# Altium PCB cheriot-test.PcbDoc (part 3 of 10) (continued)
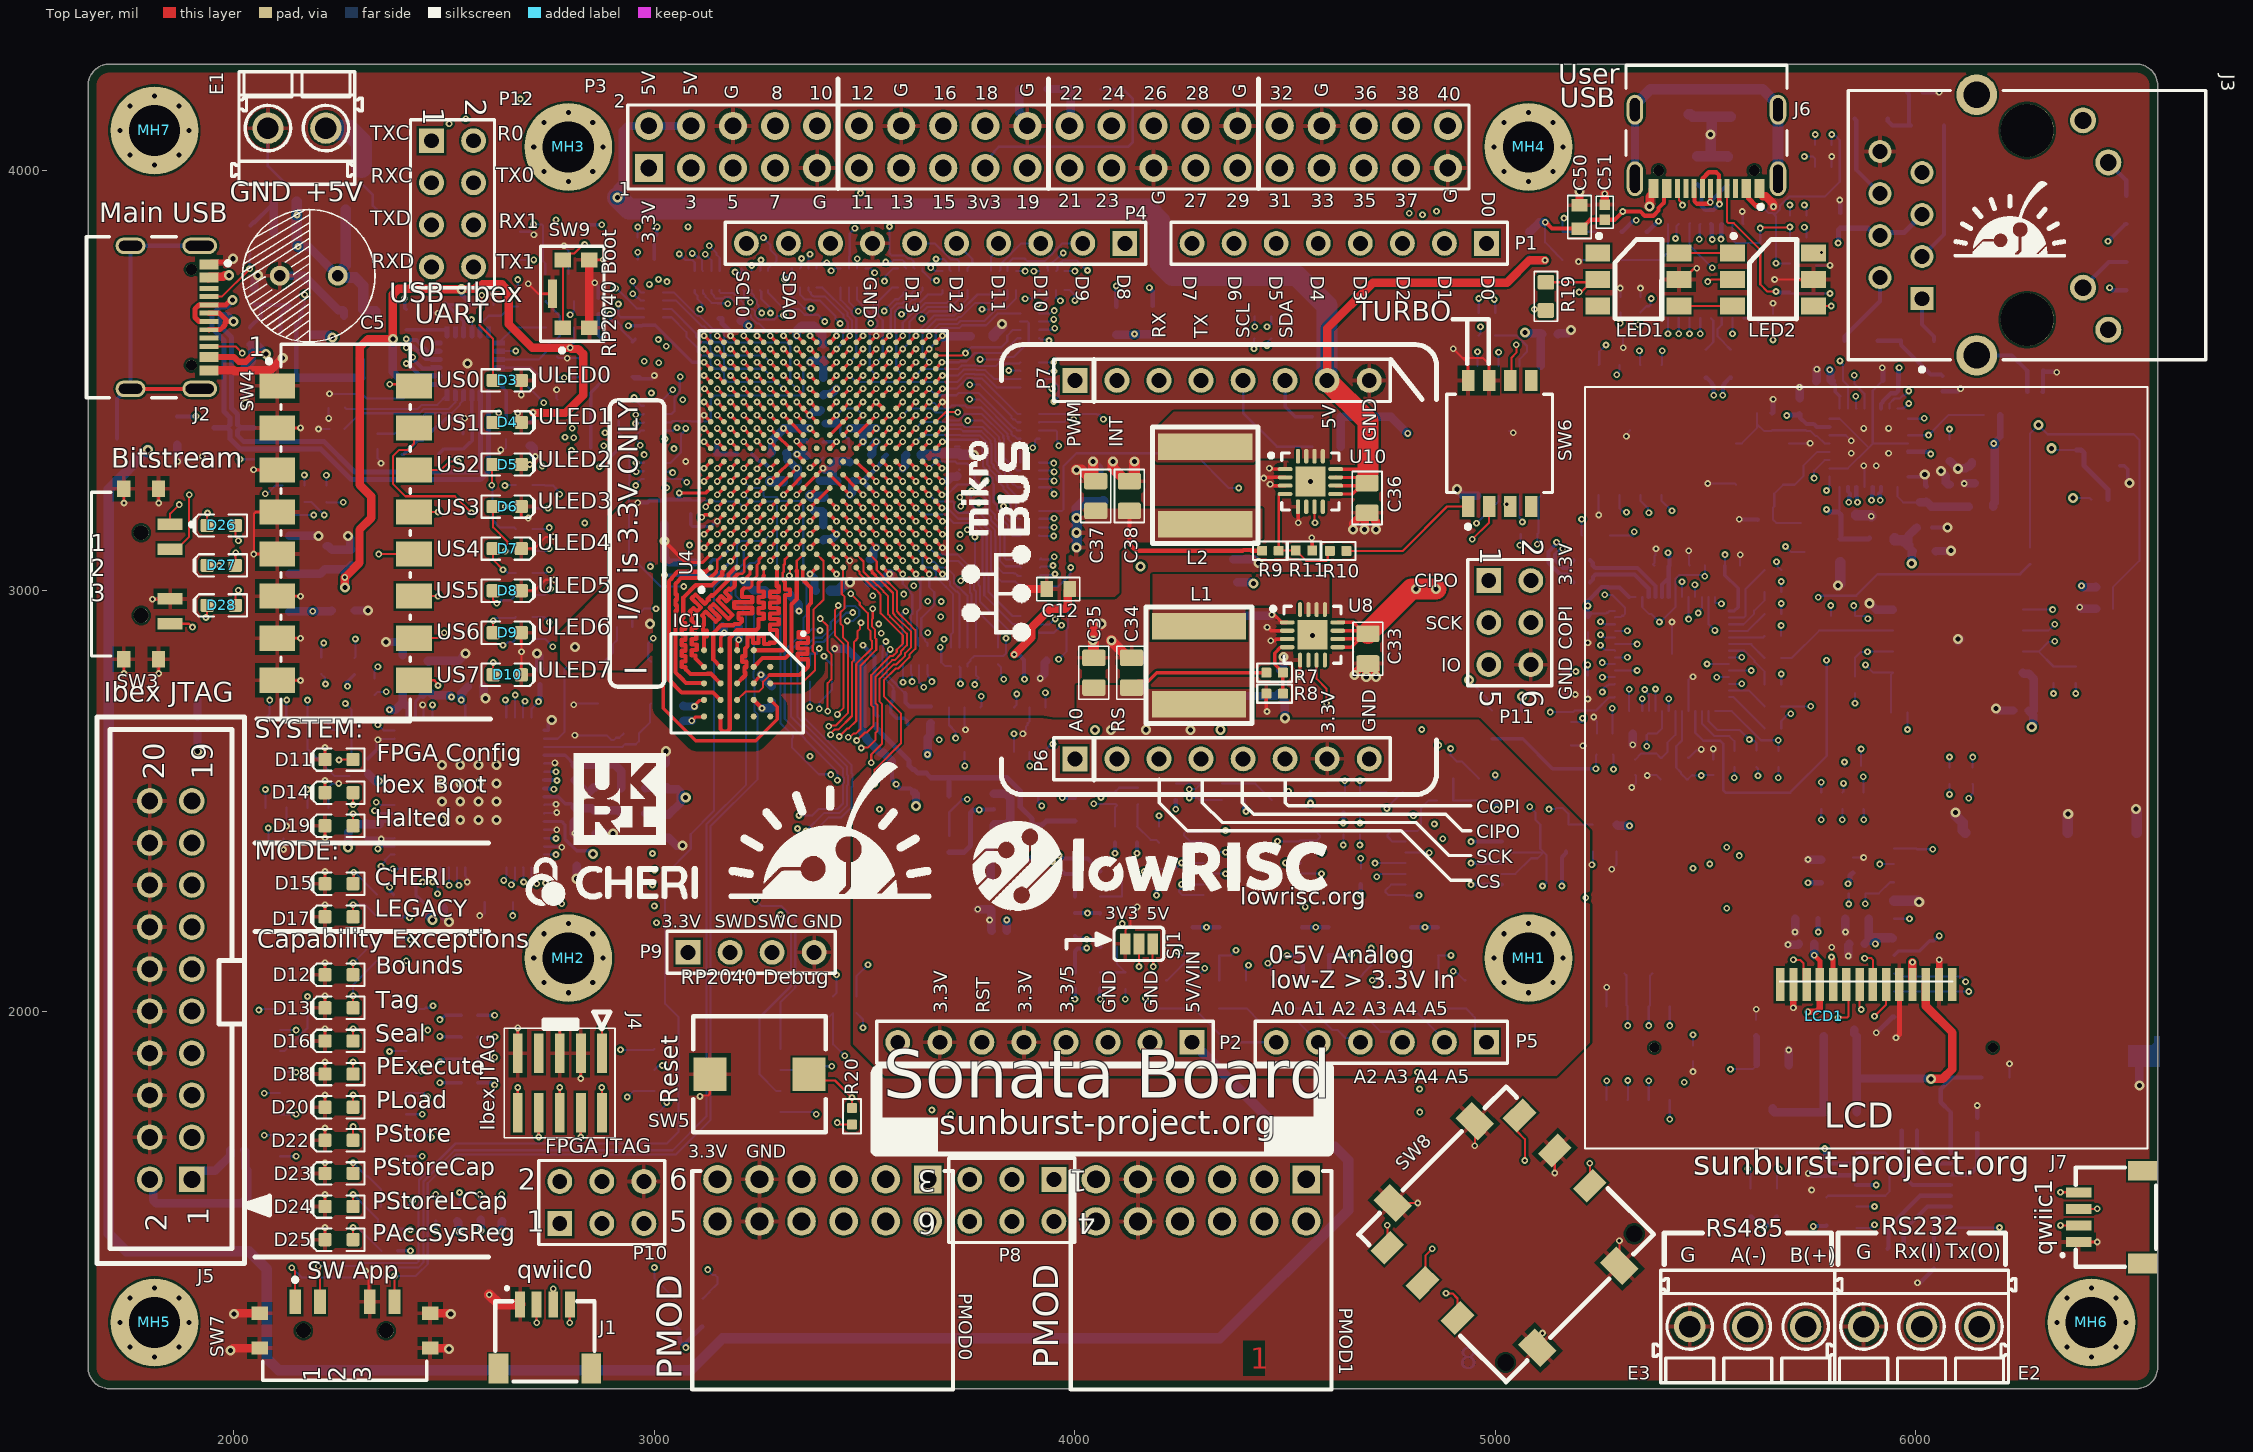
[diagram p0: Top Layer view]
## Nets (pads, with @x,y where several pads share a name; then routed paths per layer and width w, separated by ;. In a path a pad name is that pad's centre, name@x,y a point inside that pad or via, vN(x,y) a via of type N, cw(c..) or ccw(c..) an arc to the next point about the centre after c; other vN are vias at no path point) (continued)
AH_AN3: P5.3 R97.1 R98.1 | length 205.7
  Bottom Layer w5: R98.1@4606.45,2006.54 R97.1@4669.51,2006.54 4671.48,2006.54 4726.94,1951.08 4751.47,1951.08 4776.56,1925.98 P5.3@4778.74,1925.98
AH_AN4: P5.2 R104.1 R105.1 | length 181.2
  Bottom Layer w5: R104.1@4735.96,2010.57 R104.1@4740,2006.54 R105.1@4803.07,2006.54 4803.99,2006.54 4878.74,1931.79 P5.2@4878.74,1925.98
AH_AN5: P5.1 R111.1 R112.1 | length 164.7
  Bottom Layer w5: R112.1@4866.13,2006.54 R111.1@4929.2,2006.54 4930.12,2006.54 4945.19,1991.47 4945.19,1990.54 4951.71,1984.02 4951.71,1953.01 P5.1@4978.74,1925.98
AH_TMPIO0: P1.1 R188.1B | length 1395.6
  Int4 (Sign) w5: v1(3950.5,3230) 3952.6,3232.1 3965.6,3232.1 3968.5,3235 4237.06,3235 4265.6,3263.54 4267.06,3265 4371.06,3369 4649.65,3369 4798.74,3518.09 4798.74,3645.98 P1.1@4978.74,3825.98
  Bottom Layer w5: R188.1B@3915.28,3245.93 3940.98,3245.93 3944.51,3242.4 3944.51,3238.96 3950.5,3232.98 v1(3950.5,3230)
AH_TMPIO1: P1.2 R188.2B | length 1324.6
  Int4 (Sign) w5: v1(3950.5,3261) 4142.89,3261 4260.89,3379 4645.51,3379 4788.74,3522.23 4788.74,3735.98 P1.2@4878.74,3825.98
  Bottom Layer w5: R188.2B@3915.28,3265.62 3942.9,3265.62 3947.52,3261 v1(3950.5,3261)
AH_TMPIO2: P1.3 R188.3B | length 1265.3
  Int4 (Sign) w5: v1(3950.5,3282.42) 3950.93,3282.42 4057.51,3389 4641.36,3389 4778.74,3526.38 P1.3@4778.74,3825.98
  Bottom Layer w5: R188.3B@3915.28,3285.3 3944.64,3285.3 3947.52,3282.42 v1(3950.5,3282.42)
AH_TMPIO3: P1.4 R188.4B | length 1117.3
  Int4 (Sign) w5: v1(3950.01,3303.42) 4005.33,3358.74 4005.33,3376.25 3996.27,3385.32 3990.46,3385.32 3981.38,3394.4 3981.38,3407.24 3981.38,3414.25 3990.46,3423.33 3997.47,3423.33 4007.11,3432.97 4056.92,3432.97 4057.28,3433.33 4078.41,3433.33 4078.77,3432.97 4399.48,3432.97 4462.97,3496.47 4462.97,3515.34 4678.74,3731.11 P1.4@4678.74,3825.98
  Bottom Layer w5: R188.4B@3915.28,3304.99 3916.06,3304.2 3949.22,3304.2 v1(3950.01,3303.42)
AH_TMPIO4: P1.5 R189.1B | length 645.9
  Int6 (Sign) w5: v1(4000,3760) 4014,3746 4083.95,3746 4087.86,3749.91 4108.99,3749.91 4112.9,3746 4498.76,3746 P1.5@4578.74,3825.98
  Bottom Layer w5: R189.1B@3974.99,3760 v1(4000,3760)
AH_TMPIO5: P1.6 R189.2B | length 578.5
  Int6 (Sign) w5: v1(4030,3761.5) 4031.5,3760 4412.76,3760 P1.6@4478.74,3825.98
  Bottom Layer w5: R189.2B@3955.3,3760 3958.71,3763.41 3958.71,3775.2 3965.25,3781.73 3968.12,3781.73 3971.57,3785.18 4004.82,3785.18 4028.5,3761.5 v1(4030,3761.5)
AH_TMPIO6: P1.7 R189.3B | length 526.8
  Int6 (Sign) w5: v1(3972.1,3802.93) 3970,3805.04 3970,3829.61 4003.4,3863.01 4341.71,3863.01 P1.7@4378.74,3825.98
  Bottom Layer w5: R189.3B@3935.62,3760 3935.15,3770.3 3937.27,3776.73 3939.02,3778.48 3947.38,3780.92 v1(3972.1,3802.93)
AH_TMPIO7: P1.8 R189.4B | length 417
  Int6 (Sign) w5: v1(3902.53,3759.89) 3977.97,3759.89 3995.08,3777 4229.76,3777 P1.8@4278.74,3825.98
  Bottom Layer w5: v1(3902.53,3759.89) 3915.83,3759.89 R189.4B@3915.93,3760
AH_TMPIO8: P4.1 R190.1B | length 287.3
  Int6 (Sign) w5: v1(3881.53,3760) 3881.53,3761.53 3899.3,3779.3 3976.42,3779.3 3984.12,3787 4032.12,3787 4071.11,3825.98 P4.1@4118.74,3825.98
  Bottom Layer w5: R190.1B@3859.68,3760 v1(3881.53,3760)
AH_TMPIO9: P4.2 R190.2B | length 221.8
  Bottom Layer w5: R190.2B@3839.99,3760 3839.99,3777.69 3852.3,3790 3880,3790 3886.36,3783.64 3928.05,3783.64 3940,3795.58 3941.75,3796.97 ccw(c3918.74,3825.98) 3947.75,3802.97 3949.14,3804.73 3970.4,3825.98 P4.2@4018.74,3825.98
AH_TMPIO10: P4.3 R190.3B | length 133.8
  Bottom Layer w5: R190.3B@3820.31,3760 3823.08,3762.77 3823.08,3776.53 3872.53,3825.98 P4.3@3918.74,3825.98
AH_TMPIO11: P4.4 R190.4B | length 73.5
  Bottom Layer w5: R190.4B@3800.62,3760 3800.62,3793.86 3818.74,3811.97 P4.4@3818.74,3825.98
AH_TMPIO12: P4.5 R191.1B | length 86.2
  Bottom Layer w5: P4.5@3718.74,3825.98 3755.91,3788.82 3755.91,3778.43 3744.37,3766.89 R191.1B@3744.37,3760
AH_TMPIO13: P4.6 R191.2B | length 146.9
  Bottom Layer w5: P4.6@3618.74,3825.98 3666.14,3825.98 3700.79,3791.34 3701.02,3791.34 3704.96,3787.4 3720.47,3787.4 3724.68,3783.19 R191.2B@3724.68,3760
AH_TMPIO14: P11.1 R191.3B | length 1940.8
  Int6 (Sign) w5: v1(3669.78,3788.6) 3671.88,3786.49 3671.88,3775.21 3672.4,3774.7 3672.4,3761.86 3655.42,3744.88 3655.42,3730.94 3666.36,3720 3751.51,3720 3756.05,3724.54 3802.03,3724.54 3806.57,3720 4080.91,3720 4092,3708.91 4105.23,3708.91 4254.14,3560 4706.51,3560 4838.94,3427.57 4838.94,3130.64 4875.21,3094.38 4950.92,3094.38 4984.25,3061.04 P11.1@4984.25,3024.02
  Bottom Layer w5: v1(3669.78,3788.6) 3688.15,3788.6 3701.59,3775.15 3701.59,3763.41 R191.3B@3705,3760
AH_TMPIO15: P11.3 R191.4B | length 1954.8
  Int6 (Sign) w5: v1(3656.9,3768.28) 3645.42,3756.8 3645.42,3726.8 3662.22,3710 3755.65,3710 3760.19,3714.54 3797.89,3714.54 3802.43,3710 4076.77,3710 4087.86,3698.91 4101.09,3698.91 4250,3550 4702.36,3550 4816.18,3436.18 4816.18,3139.26 4930,3025.44 4930,2978.27 P11.3@4984.25,2924.02
  Bottom Layer w5: v1(3656.9,3768.28) 3659.87,3768.28 3668.15,3760 R191.4B@3685.31,3760
AH_TMPIO16: P11.5 R168.2 | length 1497.4
  Int6 (Sign) w5: v1(4456.89,3627.5) 4765.18,3627.5 4858.94,3533.74 4858.94,3153.43 4867.87,3144.5 5006.17,3144.5 5014.67,3136 5081.07,3136 5084,3133.07 5084,3085 5121,3048 5121.28,3048 5121.28,2908.68 5084.12,2871.52 5031.75,2871.52 P11.5@4984.25,2824.02
  Bottom Layer w5: v1(4456.89,3627.5) 4459.7,3627.5 4466.89,3634.69 R168.2@4466.89,3652.32
AH_TMPIO17: P11.4 R169.2 | length 1136.5
  Int6 (Sign) w5: v1(4456.89,3582.55) 4698.1,3582.55 4848.94,3431.71 4848.94,3134.79 4879.35,3104.38 4973.55,3104.38 5021.28,3056.65 5021.28,2986.99 P11.4@5084.25,2924.02
  Bottom Layer w5: v1(4456.89,3582.55) 4458.42,3584.07 4458.42,3591.53 R169.2@4466.89,3600
ANALOG0_DIGITAL: R77.2 U4.G13 U22.4 | length 2607.5
  Top Layer w8: v1(3307.09,3448.82) U4.G13@3322.83,3433.07
  Int4 (Sign) w5: v1(3307.09,3448.82) 3307.09,3445.84 3313.08,3439.85 3313.08,3438.26 3323.08,3428.26 3323.08,3347.91 3323.48,3347.51 3323.48,3298.16 3323.08,3297.76 3323.08,3284.92 3354.08,3253.92 3354.08,3033.45 3359.24,3028.29 3359.24,2841.54 3370.08,2830.71 3394.87,2830.71 3396.86,2828.72 3409.7,2828.72 3411.68,2830.71 3519.68,2830.71 3528.26,2839.28 3813.56,2839.28 3861.5,2791.34 v1(3861.5,2754.11)
  Int6 (Sign) w5: v1(3861.5,2754.11) 3874.08,2741.53 4335.6,2741.53 4447.03,2630.11 4447.03,2624.69 4452.97,2618.74 4452.97,2512.89 4497.3,2468.55 4497.3,2424.38 4507.3,2414.38 4507.3,2380.97 4425,2298.67 4425,2160 4417,2152 4417,2142.94 4393.56,2119.5 4384.5,2119.5 4367,2102 v1(4308.85,2102)
  Bottom Layer w5: U22.4@3855.11,2722.22 3861.5,2728.61 v1(3861.5,2754.11) ; R77.2@4280.31,2073.46 4281.3,2073.46 4308.85,2101.02 v1(4308.85,2102)
ANALOG0_N: C98.2 R81.2 U4.C5 | length 2550.7
  Top Layer w8: v1(3181.1,3165.35) U4.C5@3196.85,3181.1
  Int1 (Sign) w5: v1(3181.1,3165.35) 3196.6,3180.85 3196.6,3266.26 3187.52,3275.34 3072.32,3275.34 3054.76,3257.78 3048.49,3257.78 3045.75,3260.53 3022.98,3260.53 3022.05,3259.59 3009.33,3259.59 2984.23,3234.5 2943.11,3234.5 2834.36,3125.74 2834.36,2595.1 2975.07,2454.39 3007.76,2454.39 3009.08,2455.7 3028.68,2455.7 3045.69,2438.7 3057.36,2438.7 3178.56,2317.5 3859.69,2317.5 4027.08,2150.11 v1(4028,2150.11)
  Bottom Layer w10: R81.2@4000,2092.48 C98.2@4000,2142.5 4006.46,2148.96 4026.85,2148.96 v1(4028,2150.11)
ANALOG0_P: C98.1 R79.2 U4.C6 | length 2406.2
  Top Layer w8: v1(3181.1,3196.85) U4.C6@3196.85,3212.6
  Int1 (Sign) w5: v1(3181.1,3196.85) 3165.6,3212.35 3165.6,3234.27 3156.03,3243.85 3098.48,3243.85 3095.04,3240.41 3072.85,3240.41 3065.48,3247.78 3052.63,3247.78 3043.56,3238.7 3043.56,3234.23 3037.92,3228.59 3025.68,3228.59 3021.59,3224.5 2947.26,3224.5 2844.36,3121.6 2844.36,2599.24 2979.21,2464.39 3003.62,2464.39 3004.94,2465.7 3032.83,2465.7 3049.83,2448.7 3061.51,2448.7 3182.7,2327.5 3871.61,2327.5 v1(4028,2171.11)
  Bottom Layer w10: C98.1@4000,2178.72 4006.46,2172.26 4026.85,2172.26 v1(4028,2171.11) 4042,2171.11 R79.2@4060.32,2152.8
ANALOG1_DIGITAL: R83.2 U4.D14 U22.6 | length 2679.4
  Top Layer w8: v1(3212.6,3480.32) U4.D14@3228.35,3464.57
  Int4 (Sign) w5: v1(3212.6,3480.32) 3228.1,3464.82 3269.17,3464.82 3269.67,3464.32 3282.01,3464.32 3291.59,3454.74 3291.59,3343.41 3313.48,3321.52 3313.48,3302.3 3313.08,3301.9 3313.08,3280.78 3323.08,3270.78 3323.08,3095.94 3328.24,3090.78 3328.24,3050.19 3336.58,3041.85 3336.58,3029.01 3328.24,3020.68 3328.24,2851.76 3361.1,2818.9 3392.54,2818.9 3392.71,2818.72 3413.84,2818.72 3414.02,2818.9 3523.62,2818.9 3534,2829.28 3779.15,2829.28 3815.21,2793.22 3815.21,2783.08 3824.41,2773.88 3824.41,2769.27 3855.08,2738.61 3913.52,2738.61 3929.91,2755 v1(3929.91,2757.03)
  Int6 (Sign) w5: v1(3929.91,2757.03) 3931.94,2755 4336.28,2755 4457.03,2634.25 4457.03,2628.83 4462.97,2622.89 4462.97,2517.03 4545,2435 4545,2354.36 4492.09,2301.45 4492.09,2188.09 v1(4413,2109)
  Bottom Layer w5: U22.6@3929.91,2722.22 v1(3929.91,2757.03) ; R83.2@4406.45,2073.46 4406.45,2102.45 v1(4413,2109)
ANALOG1_N: C103.2 R90.2 U4.B6 | length 2137.1
  Top Layer w8: v1(3149.61,3196.85) U4.B6@3165.35,3212.6
  Int1 (Sign) w5: v1(3149.61,3196.85) 3131.71,3214.75 3079.43,3214.75 3073.27,3208.59 3071.43,3208.59 3069.62,3206.78 3048.49,3206.78 3046.68,3208.59 3033.96,3208.59 3002.98,3177.61 2998.98,3177.61 2864.36,3042.99 2864.36,2607.52 2987.49,2484.39 2995.34,2484.39 2996.65,2485.7 3041.11,2485.7 3058.12,2468.7 3069.79,2468.7 3190.99,2347.5 3901.42,2347.5 3910.07,2356.15 v1(3946.5,2356.15)
  Bottom Layer w10: v1(3946.5,2356.15) 3947.15,2356.15 3976.75,2326.55 C103.2@4000,2326.55 R90.2@4000,2272.8
ANALOG1_P: C103.1 R86.2 U4.B7 | length 2197.2
  Top Layer w8: v1(3149.61,3228.35) U4.B7@3165.35,3244.09
  Int1 (Sign) w5: v1(3149.61,3228.35) 3077.04,3228.35 3065.48,3216.78 3052.63,3216.78 3050.82,3218.59 3029.82,3218.59 2998.84,3187.61 2994.83,3187.61 2854.36,3047.13 2854.36,2603.38 2983.35,2474.39 2999.48,2474.39 3000.8,2475.7 3036.97,2475.7 3053.98,2458.7 3065.65,2458.7 3186.85,2337.5 3949.77,2337.5 3962,2349.73 v1(3962,2371)
  Bottom Layer w10: v1(3962,2371) 3963.62,2371 3971.85,2362.77 C103.1@4000,2362.77 4030.34,2362.77 R86.2@4060.32,2332.8
ANALOG2_DIGITAL: R89.2 U4.C14 U22.3 | length 2396.8
  Top Layer w8: v1(3181.1,3480.32) U4.C14@3196.85,3464.57
  Int3 (Sign) w5: v1(3855.11,2659.5) 3855.11,2643.25 3975.29,2523.06 3976.24,2523.06 3985.32,2513.98 3985.32,2513.04 4110.87,2387.49 4110.87,2364.21 4183.6,2291.48 4200.61,2291.48 4206.14,2285.95 4248.49,2285.95 4349.08,2185.36 4349.08,2157 4378.74,2127.34 4416.58,2127.34 4429.92,2114 v1(4459,2114)
  Int4 (Sign) w5: v1(3181.1,3480.32) 3165.6,3464.82 3165.6,3440 3172.78,3432.82 3187.52,3432.82 3196.6,3423.74 3196.6,3411.4 3206.18,3401.82 3255.25,3401.82 3260,3397.07 3260,3355 3260.09,3354.91 3260.09,3349.12 3279.21,3330 3285,3330 3291.09,3323.91 3291.09,3096.44 3295,3092.53 3295,3085 3305.43,3074.57 3305.43,2860.43 3358.39,2807.47 3527.35,2807.47 3539.16,2819.28 3769.96,2819.28 3797.61,2791.63 3797.61,2786.54 3814.41,2769.73 3814.41,2708.19 3846.38,2676.23 3846.38,2671.2 3855.11,2662.48 v1(3855.11,2659.5)
  Bottom Layer w5: U22.3@3855.11,2615.92 3855.11,2641.64 v1(3855.11,2659.5) ; v1(4459,2114) 4459,2111.02 4467.56,2102.46 4467.56,2086.22 R89.2@4480.31,2073.46
ANALOG2_N: C104.2 R96.2 U4.A5 | length 2111.8
  Top Layer w8: 3120.07,3180.55 3133.31,3180.55 U4.A5@3133.86,3181.1
  Int1 (Sign) w5: v1(3112.21,3174.86) 3028.51,3174.86 3011.26,3157.61 3007.26,3157.61 2884.36,3034.71 2884.36,2615.81 2978.71,2521.45 3045.32,2521.45 3054.98,2511.79 3054.98,2500.12 3066.4,2488.7 3078.08,2488.7 3153.84,2412.93 3367.07,2412.93 3378.29,2424.15 3380.78,2424.15 3383.72,2427.1 3979.24,2427.1 v1(4045.14,2493)
  Bottom Layer w5: v1(4045.14,2493) 4045.63,2492.5 4097.21,2492.5 C104.2@4100,2489.71 4095.37,2485.07 R96.2@4095.37,2439.68
ANALOG2_P: C104.1 R93.2 U4.A6 | length 2198.8
  Top Layer w8: v1(3122.46,3199.25) 3122.46,3200.22 3133.86,3211.62 U4.A6@3133.86,3212.6
  Int1 (Sign) w5: v1(3122.46,3199.25) 3078.07,3199.25 3077.42,3198.59 3075.57,3198.59 3073.76,3196.78 3044.35,3196.78 3042.54,3198.59 3038.11,3198.59 3007.12,3167.61 3003.12,3167.61 2874.36,3038.85 2874.36,2611.67 2974.57,2511.45 3041.18,2511.45 3044.98,2507.65 3044.98,2495.98 3062.26,2478.7 3073.93,2478.7 3149.7,2402.93 3371.22,2402.93 3382.44,2414.15 3384.92,2414.15 3387.86,2417.1 3991.16,2417.1 4062.21,2488.15 v1(4062.21,2508)
  Bottom Layer w5: v1(4062.21,2508) 4064.32,2510.1 4064.32,2516.33 4067.99,2520 4094.07,2520 4105.44,2531.37 R93.2@4150.13,2531.37
ANALOG3_DIGITAL: R97.2 U4.C9 U22.1 | length 2578
  Top Layer w8: v1(3181.1,3291.34) U4.C9@3196.85,3307.09
  Int3 (Sign) w5: v1(3947.74,2635.5) 3947.84,2635.4 3965.74,2635.4 3967.37,2637.03 4032.63,2637.03 4062.97,2606.69 4062.97,2584.66 4077.71,2569.92 4077.71,2506.45 4235.96,2348.21 4235.96,2345.38 4248.8,2332.54 4251.63,2332.54 4434.17,2150 v1(4705,2150)
  Int4 (Sign) w5: v1(3181.1,3291.34) 3165.6,3306.84 3143.19,3306.84 3133.61,3297.26 3133.61,3284.92 3124.03,3275.34 3111.69,3275.34 3096.02,3259.67 3096.02,3255.2 3079.85,3239.03 3079.85,3211.85 3048,3180 3048,3061.29 3347.04,2762.25 3532.75,2762.25 3555.74,2739.26 3555.74,2739.16 3579.47,2715.43 3593.71,2715.43 3655.84,2653.3 3655.84,2645.07 3670.75,2630.17 3883.15,2630.17 3888.48,2635.5 v1(3947.74,2635.5)
  Bottom Layer w5: U22.1@3929.91,2615.92 3929.91,2620.8 3939.22,2630.11 3939.22,2633.1 3942.37,2633.1 3944.76,2635.5 v1(3947.74,2635.5) ; R97.2@4669.51,2073.46 4670.44,2073.46 4685.5,2088.53 4685.5,2089.46 4705,2108.95 v1(4705,2150)
ANALOG3_N: C105.2 R103.2 U4.E5 | length 1842.3
  Top Layer w8: v1(3244.09,3165.35) U4.E5@3259.84,3181.1
  Int1 (Sign) w5: v1(3244.09,3165.35) 3260.09,3149.36 3376.5,3149.36 3406,3119.86 3406,3017.5 3460.03,2963.47 3478.01,2963.47 3505.1,2936.38 3539.64,2936.38 3550.84,2925.18 3559.91,2925.18 3568.99,2916.1 3568.99,2914.11 3688.81,2794.29 3785.25,2794.29 3850.94,2728.61 4495.47,2728.61 4554.54,2669.54 4582.82,2669.54 4641.89,2610.47 v1(4641.89,2548.05)
  Bottom Layer w5: R103.2@4599.69,2520 4639.44,2520 C105.2@4641.89,2522.45 4641.89,2541.08 v1(4641.89,2548.05)
ANALOG3_P: C105.1 R100.2 U4.E6 | length 1925.3
  Top Layer w8: v1(3244.09,3196.85) U4.E6@3259.84,3212.6
  Int1 (Sign) w5: v1(3244.09,3196.85) 3260.09,3180.85 3376.5,3180.85 3416,3141.35 3416,3066.02 3426.65,3055.37 3439,3055.37 3448.57,3045.79 3448.57,3031.27 3445.07,3027.76 3445.07,3016.7 3437.54,3009.17 3437.54,3000.1 3464.17,2973.47 3487.68,2973.47 3488.51,2972.64 3525.69,2972.64 3534.77,2963.56 3534.77,2962.47 3562.06,2935.18 3564.05,2935.18 3578.99,2920.24 3578.99,2918.25 3692.95,2804.29 3789.4,2804.29 3855.08,2738.61 4499.62,2738.61 4558.68,2679.54 4586.97,2679.54 4651.89,2614.62 4651.89,2574.27 v1(4678.11,2548.05)
  Bottom Layer w5: v1(4678.11,2548.05) 4678.11,2541.08 C105.1@4678.11,2522.45 4679.49,2521.07 R100.2@4740.31,2521.07
ANALOG4_DIGITAL: R104.2 U4.B9 U23.4 | length 2458.8
  Top Layer w8: v1(3149.61,3291.34) U4.B9@3165.35,3307.09
  Int3 (Sign) w5: v1(3716.29,2649.37) 3716.29,2648.79 4291.62,2073.46 v1(4707.31,2073.46)
  Int4 (Sign) w5: v1(3149.61,3291.34) 3149.61,3288.36 3143.61,3282.37 3143.61,3280.78 3133.61,3270.78 3133.61,3251.47 3058,3175.86 3058,3065.43 3348.48,2774.95 3534.19,2774.95 3564.44,2744.7 3564.44,2744.6 3583.61,2725.43 3597.85,2725.43 3662.11,2661.17 3704.49,2661.17 v1(3716.29,2649.37)
  Bottom Layer w5: U23.4@3700.51,2722.22 3700.51,2680.49 3716.13,2664.87 3716.13,2649.52 v1(3716.29,2649.37) ; v1(4707.31,2073.46) 4714.28,2073.46 R104.2@4740,2073.46
ANALOG4_N: C106.2 R110.2 U4.B4 | length 2301.5
  Top Layer w8: v1(3149.61,3133.86) U4.B4@3165.35,3149.61
  Int1 (Sign) w5: v1(3149.61,3133.86) 3134.11,3149.36 3031.3,3149.36 3019.55,3137.61 3015.54,3137.61 2904.36,3026.42 2904.36,2656.5 2936,2624.86 2936,2605.86 2989.8,2552.06 3000.82,2552.06 3005.81,2547.07 3035.21,2547.07 3040.2,2552.06 3091,2552.06 3094.44,2555.5 3256.06,2555.5 3259.5,2552.06 3375.26,2552.06 3393.83,2570.63 3393.83,2573.17 3408.77,2588.11 3465.65,2588.11 3473.28,2580.48 3489.75,2580.48 3505.19,2565.05 3526.31,2565.05 3541.74,2580.48 3588.99,2580.48 3617.24,2608.73 3629.19,2608.73 3643.19,2594.74 3656.03,2594.74 3670.02,2608.73 3810.83,2608.73 3876.59,2542.97 4257.03,2542.97 v1(4272,2528)
  Bottom Layer w5: R110.2@4240,2541.23 4294.43,2541.23 C106.2@4297.55,2538.11 4287.45,2528.01 v1(4272,2528)
ANALOG4_P: C106.1 R107.2 U4.C4 | length 2406.9
  Top Layer w8: v1(3181.1,3133.86) U4.C4@3196.85,3149.61
  Int1 (Sign) w5: v1(3181.1,3133.86) 3165.6,3149.36 3165.6,3171.28 3156.03,3180.85 3140.13,3180.85 3118.63,3159.36 3027.15,3159.36 3015.41,3147.61 3011.4,3147.61 2894.36,3030.56 2894.36,2619.95 2972.25,2542.06 2996.67,2542.06 3001.66,2537.07 3039.36,2537.07 3044.35,2542.06 3095.14,2542.06 3098.58,2545.5 3251.92,2545.5 3255.36,2542.06 3379.41,2542.06 3403.83,2566.49 3403.83,2569.03 3412.91,2578.11 3461.51,2578.11 3469.14,2570.48 3485.61,2570.48 3501.04,2555.05 3530.45,2555.05 3545.89,2570.48 3593.13,2570.48 3621.38,2598.73 3625.05,2598.73 3639.04,2584.74 3660.17,2584.74 3674.16,2598.73 3806.68,2598.73 3872.44,2532.97 4245.11,2532.97 4271.08,2507 v1(4272,2507)
  Bottom Layer w5: v1(4272,2507) 4287.45,2507 4289.94,2509.49 C106.1@4297.55,2501.89 ; C106.1@4297.55,2501.89 R107.2@4350,2501.86
ANALOG5_DIGITAL: R111.2 U4.B8 U23.6 | length 3223.5
  Top Layer w8: v1(3149.61,3259.84) U4.B8@3165.35,3275.59
  Int4 (Sign) w5: v1(3149.61,3259.84) 3147.5,3257.74 3147.5,3248.16 3068,3168.66 3068,3069.57 3352.62,2784.95 3535.66,2784.95 3549.99,2799.28 3761.68,2799.28 3777.61,2783.35 v1(3777.61,2748.84)
  Int6 (Sign) w5: v1(3777.61,2748.84) 3819.14,2748.84 3836.44,2731.53 4331.46,2731.53 4437.03,2625.96 4437.03,2470.51 4497.3,2410.23 4497.3,2385.11 4407,2294.81 4407,2147.08 4389.42,2129.5 4314.43,2129.5 4287.04,2102.11 4287.04,2101.89 4330.97,2057.96 4713.73,2057.96 4750.77,2095 v1(4900,2095)
  Bottom Layer w5: U23.6@3775.31,2722.22 3777.61,2724.51 v1(3777.61,2748.84) ; v1(4900,2095) 4902.1,2092.9 4906.75,2092.9 4926.18,2073.46 R111.2@4929.2,2073.46
ANALOG5_N: C107.2 R117.2 U4.A3 | length 2880.2
  Top Layer w8: v1(3118.11,3102.36) U4.A3@3133.86,3118.11
  Int1 (Sign) w5: v1(3118.11,3102.36) 3096.61,3123.86 3076.63,3123.86 3029.09,3076.32 2987.54,3076.32 2940,3028.78 2940,2829.96 2956,2813.96 2956,2614.14 2998.08,2572.06 3009.1,2572.06 3014.09,2567.07 3026.93,2567.07 3031.92,2572.06 3082.71,2572.06 3086.15,2575.5 3264.35,2575.5 3267.79,2572.06 3366.98,2572.06 3373.83,2578.91 3373.83,2582.21 3399.73,2608.11 3473.94,2608.11 3481.56,2600.48 3502.69,2600.48 3508.26,2606.05 3522.17,2606.05 3527.74,2600.48 3580.71,2600.48 3608.96,2628.73 3632.04,2628.73 3639.04,2635.74 3660.17,2635.74 3667.17,2628.73 3825.09,2628.73 3890.85,2562.97 4504.09,2562.97 4534.51,2532.55 4684.91,2532.55 4800.67,2648.3 4874.78,2648.3 4883.03,2640.05 4883.03,2636.27 4893.38,2625.91 v1(4893.38,2624.7)
  Bottom Layer w5: v1(4893.38,2624.7) 4893.38,2608.56 4908.21,2593.73 4920.28,2593.73 R117.2@4960.31,2553.7
ANALOG5_P: C107.1 R114.2 U4.A4 | length 2857.3
  Top Layer w8: v1(3118.11,3133.86) U4.A4@3133.86,3149.61
  Int1 (Sign) w5: v1(3118.11,3133.86) 3066.95,3133.86 3019.41,3086.32 2983.4,3086.32 2914.36,3017.28 2914.36,2660.64 2946,2629 2946,2610 2993.94,2562.06 3004.96,2562.06 3009.95,2557.07 3031.07,2557.07 3036.06,2562.06 3086.86,2562.06 3090.3,2565.5 3260.2,2565.5 3263.64,2562.06 3371.12,2562.06 3383.83,2574.77 3383.83,2577.31 3404.63,2598.11 3469.8,2598.11 3477.42,2590.48 3493.89,2590.48 3509.33,2575.05 3522.17,2575.05 3537.6,2590.48 3584.85,2590.48 3613.1,2618.73 3636.18,2618.73 3643.19,2625.74 3656.03,2625.74 3663.03,2618.73 3820.95,2618.73 3886.71,2552.97 4499.95,2552.97 4530.37,2522.55 4755.01,2522.55 v1(4865.26,2632.8)
  Bottom Layer w5: R114.2@4860.31,2553.7 4860.31,2602.25 C107.1@4861.89,2603.83 4861.89,2622.46 4863.16,2623.73 4863.16,2630.7 v1(4865.26,2632.8)
APPSPI_CLK: R52.2 U4.A8 | length 682.4
  Top Layer w8: v1(3118.11,3259.84) U4.A8@3133.86,3275.59
  Int6 (Sign) w5: v1(3118.11,3259.84) 3084.56,3226.29 3084.56,3172.39 3068,3155.84 3068,3101.94 3307.39,2862.55 v1(3392.02,2862.55)
  Bottom Layer w5: R52.2@3369.96,2822.76 R52.2@3369.96,2822.76 3370,2850 3386,2850 3386,2853.55 3392.02,2859.58 v1(3392.02,2862.55)
APPSPI_CS: R50.2 U4.D10 | length 6558.1
  Top Layer w8: v1(3212.6,3354.33) U4.D10@3228.35,3338.58
  Int3 (Sign) w5: v1(2995.5,2300) 2984.5,2289 2984.5,2243.58 2998.08,2230 3006.92,2230 3020.5,2216.42 3020.5,2038.65 2983.29,2001.44 2983.29,1821.37 2937.97,1776.05 2937.97,1430.61 3080.42,1288.16 4840.27,1288.16 4863.43,1265 5027.43,1265 5050.59,1288.16 5214.52,1288.16 5535,1608.64 5535,1896.72 5530,1901.72 5530,1918.28 5535,1923.28 5535,2060.75 5722.91,2248.66 5722.91,2362.08 5800.84,2440 5831.42,2440 5980,2588.58 v1(5980,2670)
  Int4 (Sign) w5: v1(2995.5,2300) 2995,2300 2980,2315 2980,2672.43 2920,2732.43 2920,3412.96 2941.02,3433.98 3010.28,3433.98 3020.28,3423.98 3089.54,3423.98 3111.69,3401.82 3187.03,3401.82 3197.1,3391.75 3197.1,3369.83 v1(3212.6,3354.33)
  Bottom Layer w5: R50.2@5979.69,2710.1 5980,2709.79 v1(5980,2670)
APPSPI_D0: R47.1 U4.C11 | length 875.1
  Top Layer w8: v1(3181.1,3385.83) U4.C11@3196.85,3370.08
  Int6 (Sign) w5: v1(3181.1,3385.83) 3165.11,3369.83 3111.69,3369.83 3096.48,3354.62 3096.48,3321.48 3100.3,3317.65 3100.3,3296.52 3096.48,3292.7 3096.48,3255.66 3074.56,3233.74 3074.56,3176.53 3058,3159.98 3058,3097.8 3311.57,2844.22 v1(3403.28,2844.22)
  Bottom Layer w5: v1(3403.28,2844.22) 3403.28,2842.08 R47.1@3422.28,2823.08
APPSPI_D1: R48.1 U4.C10 | length 6336.6
  Top Layer w8: v1(3181.1,3354.33) U4.C10@3196.85,3338.58
  Int3 (Sign) w5: v1(2995.5,2375) 3040.5,2330 3040.5,2030.04 3003.29,1992.83 3003.29,1695.85 3025,1674.14 3025,1566.31 3283.15,1308.16 4848.56,1308.16 4871.72,1285 5019.14,1285 5042.3,1308.16 5206.24,1308.16 5515,1616.92 5515,1888.43 5510,1893.43 5510,1926.57 5515,1931.57 5515,2283.08 5633.88,2401.96 5633.88,2547.27 5640.1,2553.48 5640.1,2633.37 5666.41,2659.68 5704.03,2659.68 5723.8,2679.46 5723.8,2720.72 5743.58,2740.5 5843.71,2740.5 5852.09,2732.13 v1(5855.06,2732.13)
  Int4 (Sign) w5: v1(2995.5,2375) 2994.39,2376.11 2994.39,2385.81 2990,2390.21 2990,2676.57 2930,2736.57 2930,3377.07 2932.93,3380 2959.64,3380 2993.47,3413.83 3082.86,3413.83 3102,3394.69 3102,3380.02 3111.69,3370.33 3126.37,3370.33 3126.86,3369.83 3175.17,3369.83 3179,3366 3179,3356.44 v1(3181.1,3354.33)
  Bottom Layer w5: v1(5855.06,2732.13) 5855.06,2739.09 R48.1@5855.06,2756.94
APPSPI_D2: R49.1 U4.A10 | length 7704.4
  Top Layer w8: v1(3118.11,3354.33) U4.A10@3133.86,3338.58
  Int3 (Sign) w5: v1(3000.5,2335) 2935,2269.5 2935,1901.53 2910.26,1876.79 2910.26,1612.11 2912.03,1610.34 2912.03,1428.27 3075.3,1265 4835.15,1265 4855.15,1245 5035.71,1245 5055.71,1265 5405,1265 5622.5,1482.5 5622.5,1512.25 5700.5,1590.25 5700.5,1782.32 5582.12,1900.7 5559.3,1900.7 5552.07,1907.93 5552.07,1912.07 5555,1915 5555,2052.47 5732.53,2230 5735,2230 5854.79,2349.79 5891.81,2349.79 6032.57,2490.56 6085.03,2490.56 6086.41,2491.94 6102.57,2491.94 6103.95,2490.56 6160.56,2490.56 6416.69,2746.69 6416.69,2750.84 6254.55,2912.98 6254.55,2943.03 6227.08,2970.5 6071.41,2970.5 6013.72,2912.81 5934.39,2912.81 5914.13,2933.07 v1(5885.83,2933.07)
  Int4 (Sign) w5: v1(3000.5,2335) 3000.5,2335.92 3011,2346.42 3011,2397.33 3005.5,2402.83 3005.5,2424.14 3000,2429.64 3000,2680.71 2940,2740.71 2940,3367.07 2942.93,3370 2963.78,3370 2997.61,3403.83 3078.72,3403.83 3092,3390.55 3092,3375.87 3107.55,3360.33 3109.14,3360.33 3115.13,3354.33 v1(3118.11,3354.33)
  Bottom Layer w5: v1(5852,2964.5) 5854.34,2962.16 5854.34,2958.19 5855,2957.53 R49.1@5855,2939.68 5879.21,2939.68 v1(5885.83,2933.07)
APPSPI_D3: R51.1 U4.A9 | length 6850.7
  Top Layer w8: v1(3118.11,3291.34) U4.A9@3133.86,3307.09
  Int3 (Sign) w5: v1(3005,2210) 2961.58,2166.58 2961.58,1913.96 2920.26,1872.64 2920.26,1618.18 2922.03,1616.41 2922.03,1432.41 3076.28,1278.16 4836.13,1278.16 4859.29,1255 5031.57,1255 5054.73,1278.16 5350.08,1278.16 5690.5,1618.58 5690.5,1778.17 5577.97,1890.7 5555.16,1890.7 5540,1905.86 5540,1914.14 5545,1919.14 5545,2056.61 5900.06,2411.67 5909.09,2411.67 6117.11,2619.68 6246.99,2619.68 6329.99,2702.69 6329.99,2705.49 v1(6380,2755.5)
  Int4 (Sign) w5: v1(3005,2210) 3031,2236 3031,2391 3035,2395 3035,2413.64 3051,2429.64 3051,2489.96 3044.98,2495.98 3044.98,2520.42 3051,2526.44 3051,2599.83 3057.06,2605.89 3057.06,2630.33 3051,2636.39 3051,2668.14 3041,2678.14 3041,2684 2960,2765 2960,3150 3001.01,3191.01 3001.01,3236.91 3000.25,3237.67 3000.25,3250.51 3003.9,3254.17 3003.9,3255.59 3013.19,3264.88 3013.19,3327.54 3031.05,3345.39 3032.13,3345.39 3044.76,3358.02 3057.6,3358.02 3074.25,3341.38 3074.25,3335.2 v1(3118.11,3291.34)
  Bottom Layer w5: v1(6380,2755.5) R51.1@6380,2780.32
CHA_TCK: SW1.3 U5.16 | length 1246
  Int3 (Sign) w5: v1(2765.91,2372.36) 2784.05,2372.36 2795.03,2383.34 2795.03,2445.03 2806.6,2456.6 2978.32,2456.6 2988.32,2466.6 3031.93,2466.6 3049.83,2448.7 3055.59,2448.7 3094.29,2410 3159.14,2410 3300,2269.14 v1(3300,2230)
  Bottom Layer w5: U5.16@2738.15,2372.36 v1(2765.91,2372.36) ; SW1.3@3300,1810 3289.96,1810 3250,1849.96 3250,1985 3325,2060 3325,2203.08 3300,2228.08 v1(3300,2230)
CHA_TDI: SW1.1 U5.17 | length 1174
  Int3 (Sign) w5: v1(2719.98,2303.15) 2719.98,2305.85 2770.99,2356.86 2782.69,2356.86 2869.13,2443.3 2979.16,2443.3 2992.46,2456.6 3027.79,2456.6 3045.69,2438.7 3051.45,2438.7 3090.15,2400 3155,2400 3240,2315 v1(3240,2265)
  Bottom Layer w5: U5.17@2707.64,2341.85 2707.64,2316.27 2719.98,2303.93 v1(2719.98,2303.15) ; v1(3240,2265) 3255.34,2249.66 3302.26,2249.66 3335,2216.92 3335,2055.86 3300,2020.86 SW1.1@3300,1910
CHA_TDO: SW1.2 U5.18 | length 1488.6
  Int3 (Sign) w5: v1(2688.98,2307.09) 2687.95,2308.11 2687.95,2430.9 2711.17,2454.13 2719.98,2454.13 2722.8,2456.94 2778.66,2456.94 2805.85,2484.14 2917.66,2484.14 2920.12,2486.6 3040.21,2486.6 3058.12,2468.7 3063.88,2468.7 3102.57,2430 3180,2430 3421.99,2188.01 3421.99,2097.46 3417.57,2093.03 3417.57,2080.19 3421.99,2075.77 v1(3421.99,1869)
  Bottom Layer w5: U5.18@2687.95,2341.85 2688.46,2341.34 2688.46,2307.6 v1(2688.98,2307.09) ; SW1.2@3300,1860 3368.53,1860 3377.53,1869 v1(3421.99,1869)
CHA_TMS: SW1.4 U5.19 | length 1559.8
  Int3 (Sign) w5: v1(2659.99,2300.64) 2662.96,2300.64 2672.02,2291.59 2695.4,2291.59 2704.48,2300.67 2704.48,2350.15 2740,2385.67 2740,2444.01 2742.93,2446.94 2782.8,2446.94 2810,2474.14 2921.8,2474.14 2924.27,2476.6 3036.07,2476.6 3053.98,2458.7 3059.73,2458.7 3098.43,2420 3165,2420 3334.3,2250.7 3334.3,2133.33 3385,2082.64 v1(3385,1755)
  Bottom Layer w5: v1(2659.99,2300.64) 2659.99,2303.62 2668.27,2311.9 U5.19@2668.27,2341.85 ; SW1.4@3300,1760 3377.02,1760 3382.02,1755 v1(3385,1755)